# Altium PCB pcb_iot_nhom3.PcbDoc
Units mil, origin at the board's own origin, x right, y up, seen from the top; angles counter-clockwise.
Board outline 6000 x 4000 mil, 2 copper layers (Top Layer, Bottom Layer); 12 components, 31 nets, 84 pads, 0 vias.
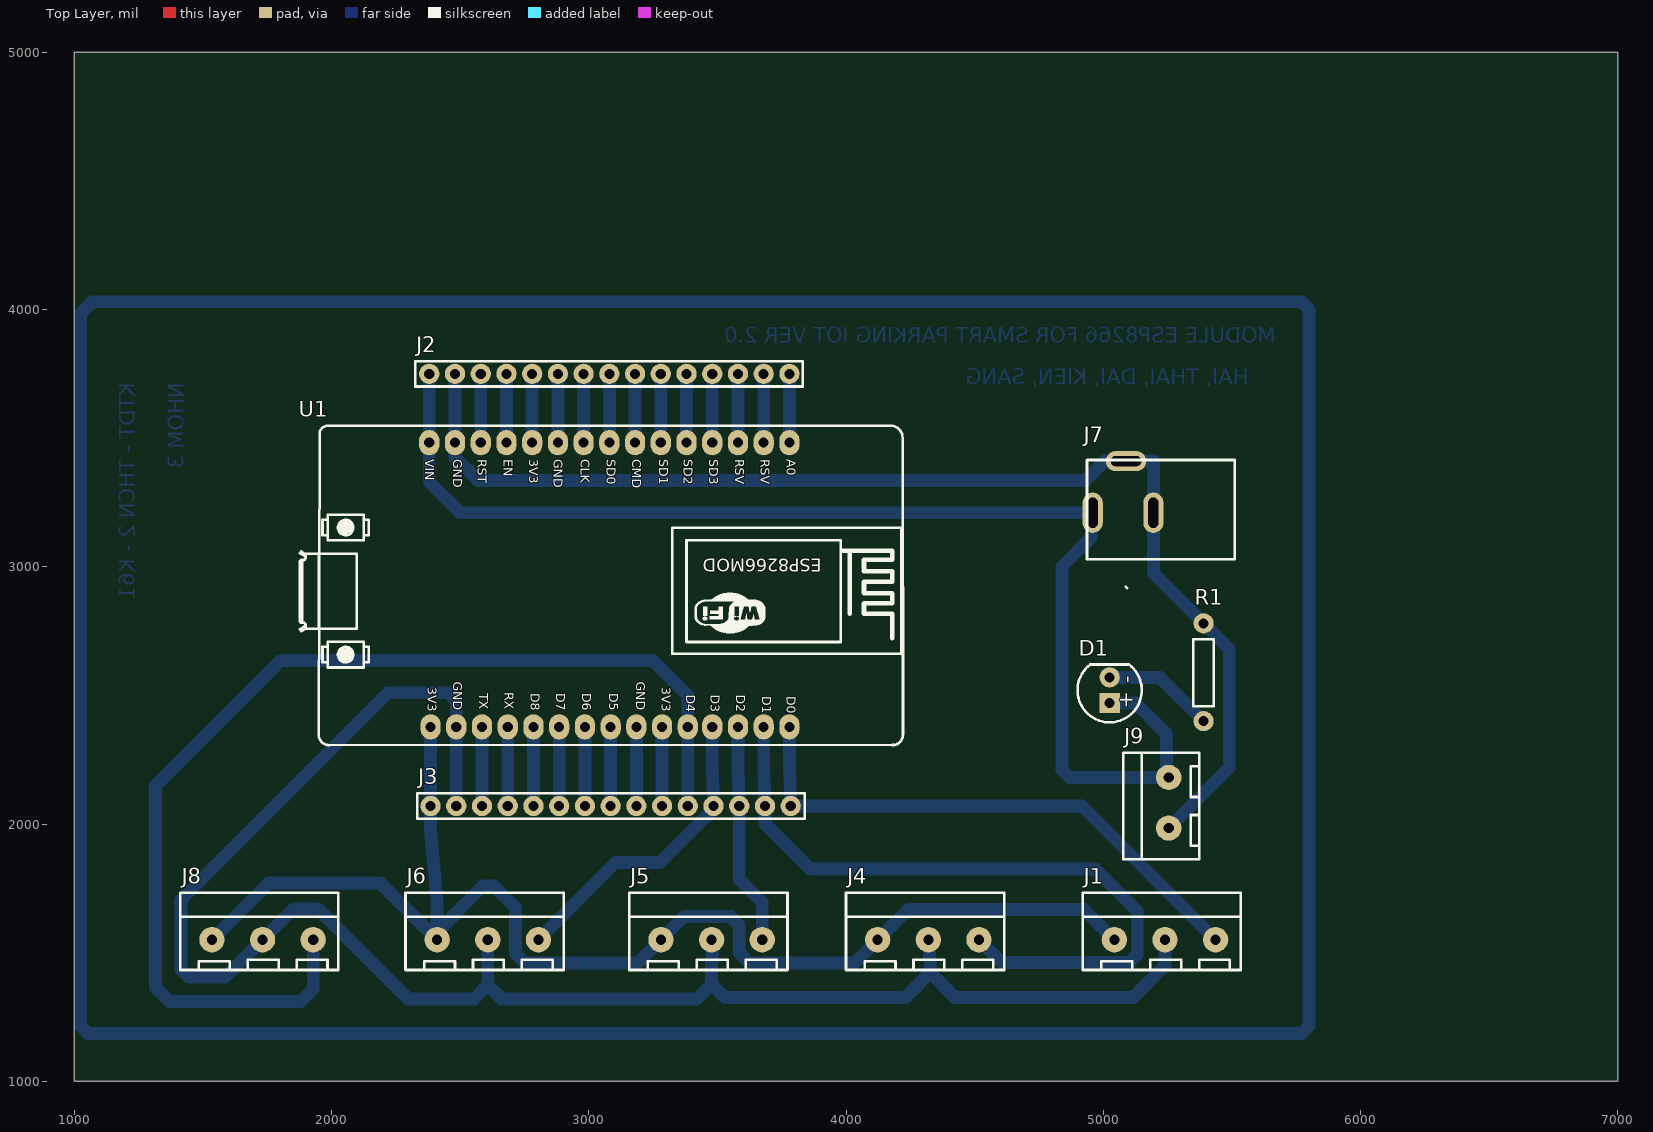
[diagram p0: Top Layer view]
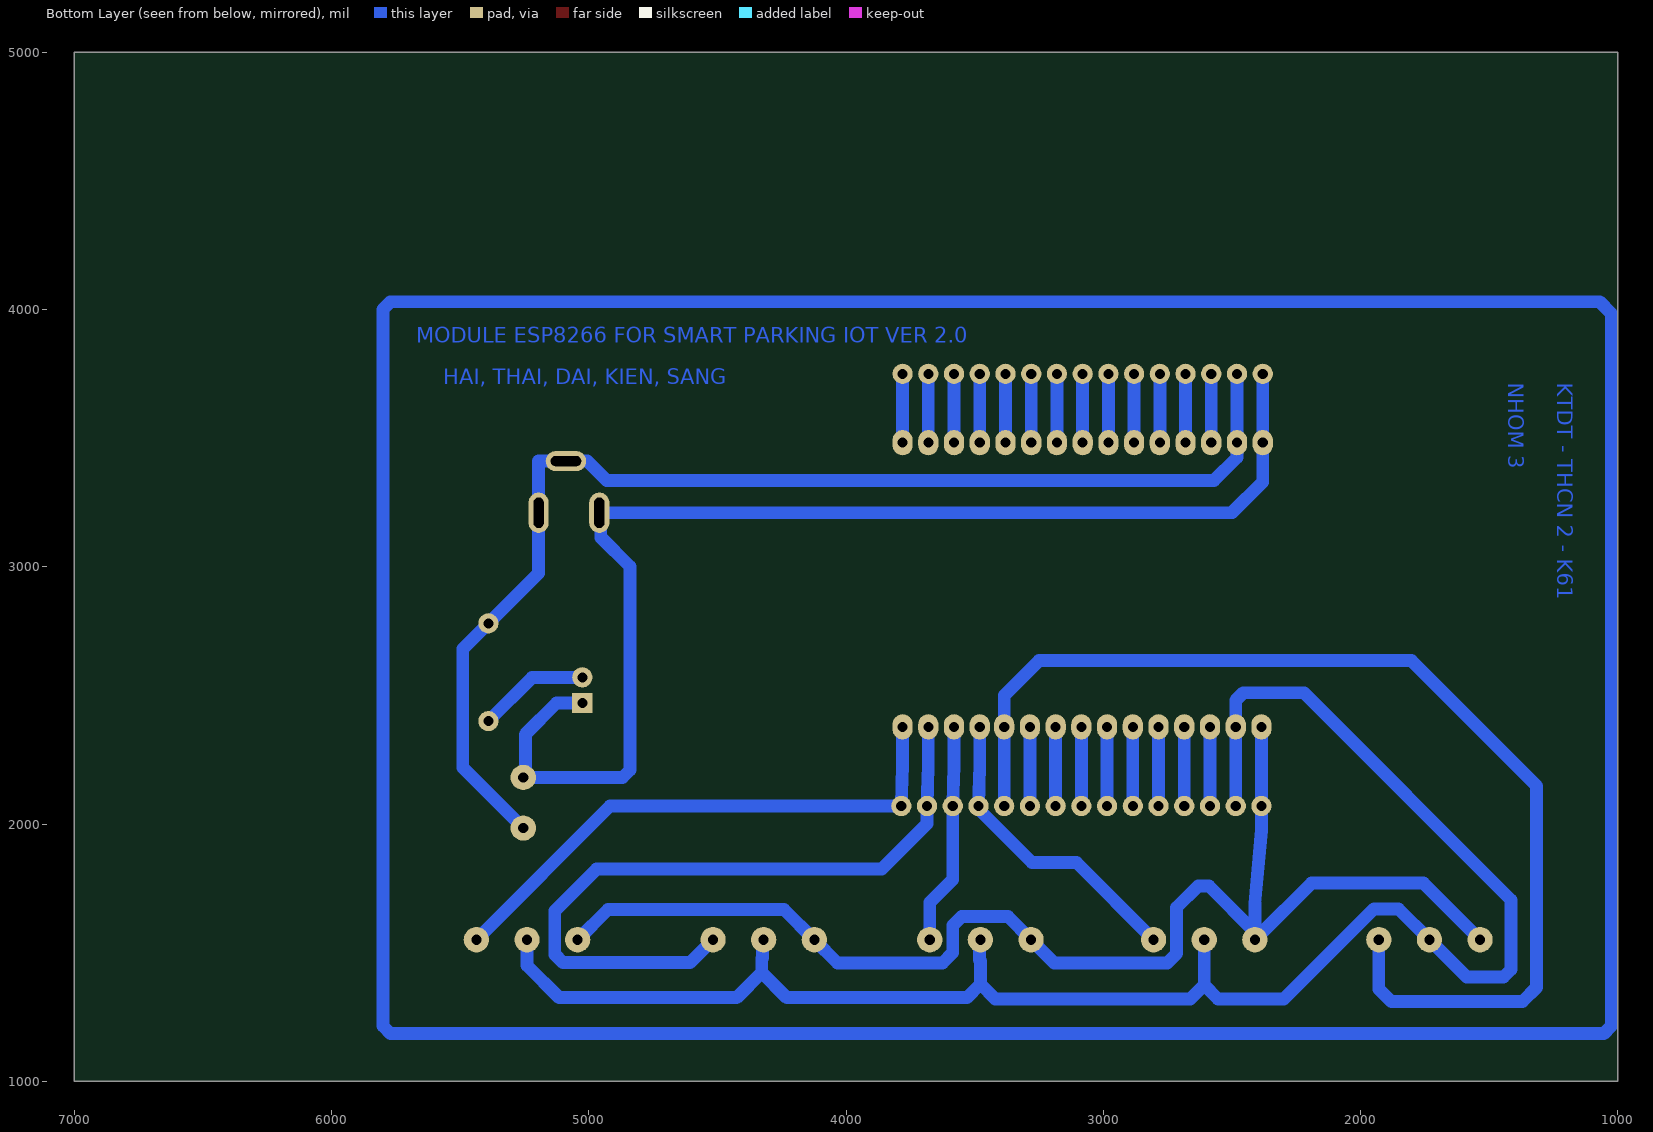
[diagram p1: Bottom Layer view, seen from below]
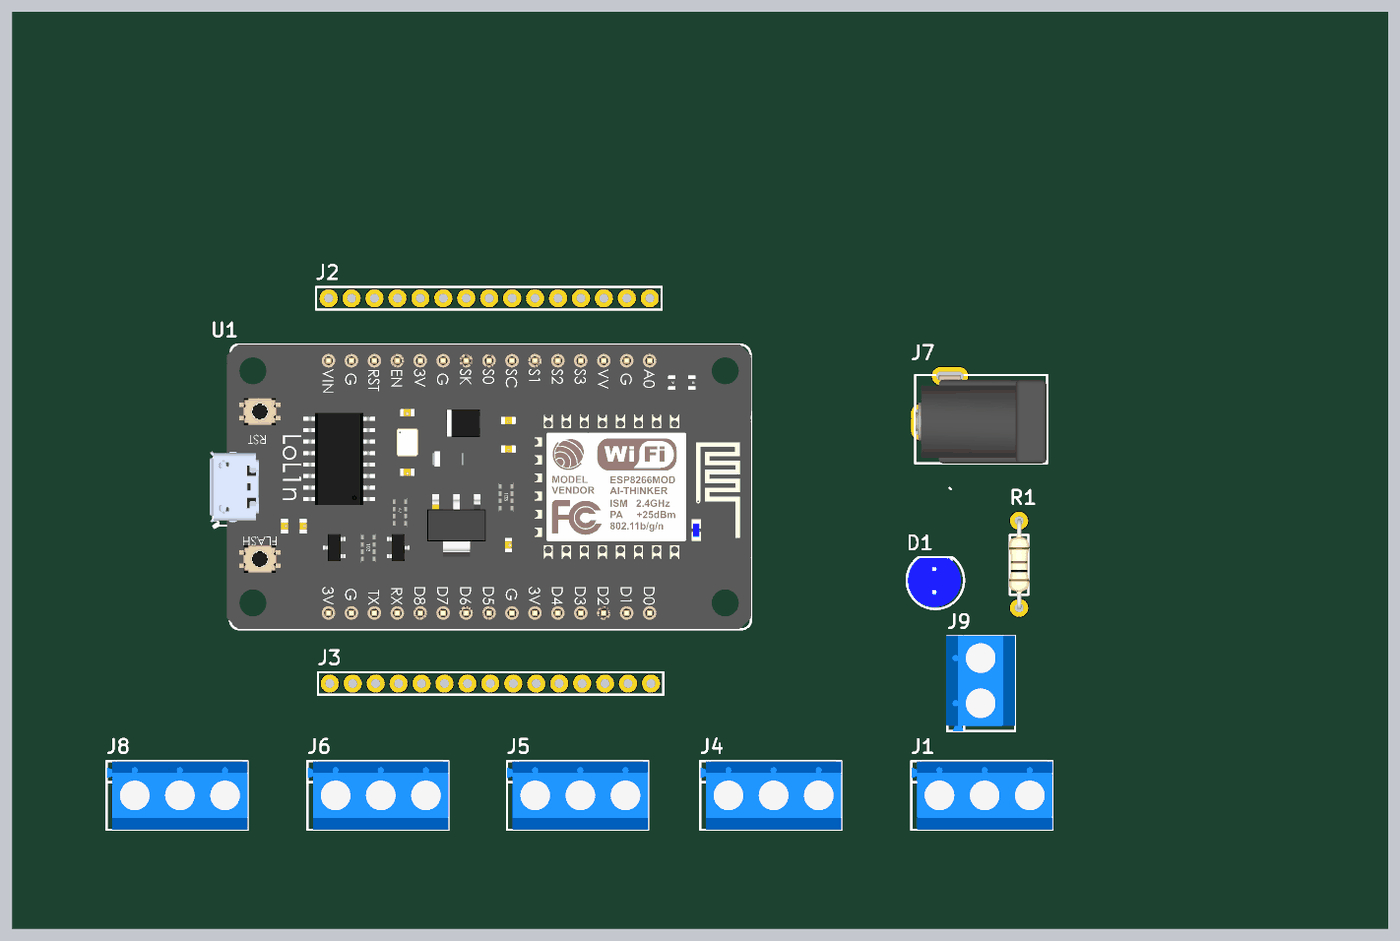
[diagram p2: 3D render of the assembled board from above, using the file's embedded part models]

## Layer stack, top to bottom
Top Solder: solder mask 0.4, Solder Resist, Dk 3.5
Top Layer: signal copper 1.4
Dielectric 1: dielectric 12.6, FR-4, Dk 4.8
Bottom Layer: signal copper 1.4
Bottom Solder: solder mask 0.4, Solder Resist, Dk 3.5

## Board outline
1000,1000 7000,1000 7000,5000 1000,5000

## Design rules (kind name [scope] priority, off if disabled: settings)
Clearance [All] p1: gap=15 ignorepadtopadclearanceinfootprint=FALSE
PolygonConnect [All] p1: connectstyle=Relief reliefconductorwidth=10 reliefentries=4 polygonreliefangle="90 Angle" airgapwidth=10
RoutingLayers [All] p1: top layer_v5=FALSE bottom layer_v5=TRUE
RoutingVias [All] p1: holewidth=28 width=50 viastyle="Through Hole" minholewidth=28 minwidth=50 maxholewidth=28 maxwidth=50
SolderMaskExpansion [All] p1: expansion=4 istentingtop=FALSE
Width [All] p1: maxlimit=60 minlimit=40 preferedwidth=50
29 further rules are at their usual default settings.

## Components (designator, comment, footprint, x,y, rotation, side; value= is the part's Value field where it differs from the comment)
D1 "Led" LED_5mm_BLUE 5025,2520 r90 top
J1 "BORNE-5.00-3P" BORNE-5.00-3P 5227.5,1582.22 r270 top
J2 "FEMALE-2.54-15P" FEMALE-2.54-15P 3080,3750 r90 top
J3 "FEMALE-2.54-15P" FEMALE-2.54-15P 3085,2070 r270 top
J4 "BORNE-5.00-3P" BORNE-5.00-3P 4307.5,1582.22 r270 top
J5 "BORNE-5.00-3P" BORNE-5.00-3P 3465,1582.22 r270 top
J6 "BORNE-5.00-3P" BORNE-5.00-3P 2595,1582.22 r270 top
J7 "JACK_P4" JACK_P4 5224.39,3222.5 r0 top
J8 "BORNE-5.00-3P" BORNE-5.00-3P 1719.35,1582.22 r270 top
J9 "BORNE-5.00-2P" BORNE-5.00-2P 5225,2070 r0 top
R1 "220" RESISTOR_PTH_9.5mm 5390,2590 r90 top
U1 "ESP8266" ESP8266 3080,2930 r270 top

## Footprints (in the part's own frame and the unit in brackets; to place one, negate y for a bottom-side part, rotate by r counter-clockwise, add the part's x,y. Pads: shape width x height; smd on the part's side, far side on the other; paste and mask are expansions set on the pad)
BORNE-5.00-2P [mm]
  round 2.5 hole 1: 1(0.754,2.821) 2(0.754,-2.18)
  silkscreen extent -3.75,-5.27 3.75,5.27, body extent -3.86,-5.28 3.74,5.32, height 10.1
BORNE-5.00-3P [mm]
  round 2.5 hole 1: 1(0.815,5.317) 2(0.815,0.318) 3(0.815,-4.682)
  silkscreen extent -3.8,-7.81 3.8,7.81, body extent -3.8,-7.79 3.8,7.81, height 10.1
ESP8266 [mm] "Microcontoller Board 30 Pins Wifi 2.4GHz BLE 4.2 ESP-12F"
  oval 2.5x2 hole 1: 1(-14.034,17.78) 2(-14.034,15.24) 3(-14.034,12.7) 4(-14.034,10.16) 5(-14.034,7.62) 6(-14.034,5.08) 7(-14.034,2.54) 8(-14.034,0) 9(-14.034,-2.54) 10(-14.034,-5.08) 11(-14.034,-7.62) 12(-14.033,-10.16) 13(-14.033,-12.7) 14(-14.033,-15.24) 15(-14.033,-17.78) 16(14.034,-17.653) 17(14.034,-15.113) 18(14.034,-12.573) 19(14.034,-10.033) 20(14.034,-7.493) 21(14.034,-4.953) 22(14.034,-2.413) 23(14.034,0.127) 24(14.034,2.667) 25(14.034,5.207) 26(14.034,7.747) 27(14.033,10.16) 28(14.033,12.7) 29(14.033,15.24) 30(14.033,17.78)
  silkscreen extent -15.7,-30.55 15.83,51.11, body extent -15.69,-30.95 15.81,29.03, height 7.12
FEMALE-2.54-15P [mm]
  round 2 hole 1: 1(0,17.78) 2(0,15.24) 3(0,12.7) 4(0,10.16) 5(0,7.62) 6(0,5.08) 7(0,2.54) 8(0,0) 9(0,-2.54) 10(0,-5.08) 11(0,-7.62) 12(0,-10.16) 13(0,-12.7) 14(0,-15.24) 15(0,-17.78)
  silkscreen extent -1.25,-19.09 1.25,19.17, body extent -1.11,-19.13 1.29,19.27, height 8.5
JACK_P4 [mm]
  oval 2x4 hole 1 slot 3 at 90 deg: 1(-6.746,-0.318) 2(-0.747,-0.318)
  oval 4x2 hole 1 slot 3 at 0 deg: 3(-3.446,4.783)
  silkscreen extent -7.3,-4.89 7.3,4.89, body extent -7.27,-4.92 7.23,4.88, height 11.38
LED_5mm_BLUE [mm]
  rect 2x2 hole 1: 1(-1.27,0)
  round 2 hole 1: 2(1.27,0)
  silkscreen extent -3.17,-3.17 2.54,3.17, body extent -2.97,-2.83 2.48,3.07, height 8.65
RESISTOR_PTH_9.5mm [mm]
  round 2 hole 1: 1(-4.826,0) 2(4.826,0)
  silkscreen extent -3.36,-1.02 3.24,1.02, body extent -5,-1.11 5,1.11, height 2.61

## Part data
D1: library part LED_5mm_BLUE, "LED PTH 5mm Blue."
J1 J4 J5 J6 J8: "Borne 3 Vias, Pitch 5mm.", JLCPCB PN=C91154
J2 J3: "Female Header Connector 2.54mm 15 Pins.", JLCPCB PN=C2897378
J7: "9V Battery Connector Jack P4."
J9: "Borne 2 Vias, Pitch 5mm.", JLCPCB PN=C91153
R1: library part RESISTOR_9.5mm, "Generic Resistor 9.5mm."
U1: "Microcontoller Board 30 Pins Wifi 2.4GHz BLE 4.2 ESP-12F", ComponentLink1Description=Datasheet, ComponentLink1URL=https://docs.ai-thinker.com/_media/esp8266/docs/esp-12f_product_specification_en.pdf

## Nets (pads, with @x,y where several pads share a name; then routed paths per layer and width w, separated by ;. In a path a pad name is that pad's centre, name@x,y a point inside that pad or via, vN(x,y) a via of type N, cw(c..) or ccw(c..) an arc to the next point about the centre after c; other vN are vias at no path point)
NetD1_1: D1.1 J2.1 J7.1 J9.1 U1.15 | length 4966.8
  Bottom Layer w50: J2.1 U1.15 2380,3330 2500,3210 J7.1 4953.33,3204.55 4953.33,3114.33 4840,3001 4840,2210.33 4869.29,2181.04 J9.1 5246.48,2189.23 5246.48,2348.52 5125,2470 D1.1
NetD1_2: D1.2 R1.1 | length 435.4
  Bottom Layer w50: D1.2 5220,2570 R1.1
NetJ1_1: J1.1 J3.1 U1.30 | length 2174.8
  Bottom Layer w50: U1.30 3780,2228 J3.1 4916.99,2070 J1.1
NetJ1_2: J1.2 J3.14 J4.2 J5.2 J6.2 J8.2 U1.17 | length 6994.3
  Bottom Layer w50: J3.14 2485,2480.71 2455.71,2510 2220,2510 1415,1705 1415,1434.29 1444.29,1405 1586.71,1405 J8.2 1851.71,1670 1948,1670 2298,1320 2553.44,1320 2607.5,1374.06 ; J6.2 2607.5,1374.06 ; J5.2 3480.99,1546.65 3480.99,1470.99 3477.5,1467.5 3477.5,1377.5 ; J4.2 4325.26,1544.88 4325.26,1479.74 4327.5,1477.5 4327.5,1422.5 ; J1.2 5240,1450 5115,1325 4425,1325 4327.5,1422.5 ; 2607.5,1374.06 2661.56,1320 3420,1320 3477.5,1377.5 ; 3477.5,1377.5 3530,1325 4230,1325 4327.5,1422.5
NetJ1_3: J1.3 J3.15 J4.3 J5.3 J6.3 J8.3 U1.16 | length 5145.6
  Bottom Layer w50: J8.3 1754.86,1770 2190.79,1770 J6.3@2395.39,1565.39 ; U1.16 J3.15 2385,1976.16 2410.65,1690.65 2410.65,1688.41 J6.3@2410.65,1580.65 ; J6.3 J6.3@2410.65,1580.65 ; J1.3 4925.32,1667.97 4240.98,1667.97 J4.3 4033.01,1460 3625,1460 3585,1500 3585,1605 3550,1640 3370.51,1640 J5.3 3190.51,1460 2751,1460 2715,1496 2715,1675 2630.71,1759.29 2589.29,1759.29 J6.3@2410.65,1580.65
NetJ2_2: J2.2 J7.2 J7.3 J9.2 R1.2 U1.14 | length 4754.9
  Bottom Layer w50: J2.2 U1.14 2480,3425 2570,3335 4930,3335 5005.79,3410.79 J7.3 5195,3410.79 J7.2 5195,2975 R1.2 5490,2680 5490,2219.53 J9.2
NetJ2_3: J2.3 U1.13 | length 267.5
  Bottom Layer w50: U1.13 J2.3
NetJ2_4: J2.4 U1.12 | length 267.5
  Bottom Layer w50: U1.12 J2.4
NetJ2_5: J2.5 U1.11 | length 267.5
  Bottom Layer w50: U1.11 J2.5
NetJ2_6: J2.6 U1.10 | length 267.5
  Bottom Layer w50: U1.10 J2.6
NetJ2_7: J2.7 U1.9 | length 267.5
  Bottom Layer w50: U1.9 J2.7
NetJ2_8: J2.8 U1.8 | length 267.5
  Bottom Layer w50: U1.8 J2.8
NetJ2_9: J2.9 U1.7 | length 267.5
  Bottom Layer w50: U1.7 J2.9
NetJ2_10: J2.10 U1.6 | length 267.5
  Bottom Layer w50: U1.6 J2.10
NetJ2_11: J2.11 U1.5 | length 267.5
  Bottom Layer w50: U1.5 J2.11
NetJ2_12: J2.12 U1.4 | length 267.5
  Bottom Layer w50: U1.4 J2.12
NetJ2_13: J2.13 U1.3 | length 267.5
  Bottom Layer w50: U1.3 J2.13
NetJ2_14: J2.14 U1.2 | length 267.5
  Bottom Layer w50: U1.2 J2.14
NetJ2_15: J2.15 U1.1 | length 267.5
  Bottom Layer w50: U1.1 J2.15
NetJ3_2: J3.2 J4.1 U1.29 | length 2798.9
  Bottom Layer w50: U1.29 3680,2228 J3.2 3685,2001 3861,1825 4969.36,1825 5132.36,1662 5132.36,1493.29 5100,1460.92 4606.06,1460.92 J4.1
NetJ3_3: J3.3 J5.1 U1.28 | length 864.5
  Bottom Layer w50: U1.28 3580,2228 J3.3 3585,1784.35 3674.35,1695 J5.1
NetJ3_4: J3.4 J6.1 U1.27 | length 1210.7
  Bottom Layer w50: J6.1 3104.21,1850 3277.25,1850 3479.5,2052.26 3479.5,2064.5 J3.4 3480,2228 U1.27
NetJ3_5: J3.5 J8.1 U1.26 | length 4388.7
  Bottom Layer w50: J8.1 1928.7,1358.7 1880,1310 1370,1310 1315,1365 1315,2148 1802,2635 3250,2635 3385,2500 U1.26 J3.5
NetJ3_6: J3.6 U1.25 | length 307.5
  Bottom Layer w50: J3.6 U1.25
NetJ3_7: J3.7 U1.24 | length 307.5
  Bottom Layer w50: J3.7 U1.24
NetJ3_8: J3.8 U1.23 | length 307.5
  Bottom Layer w50: J3.8 U1.23
NetJ3_9: J3.9 U1.22 | length 307.5
  Bottom Layer w50: J3.9 U1.22
NetJ3_10: J3.10 U1.21 | length 307.5
  Bottom Layer w50: J3.10 U1.21
NetJ3_11: J3.11 U1.20 | length 307.5
  Bottom Layer w50: J3.11 U1.20
NetJ3_12: J3.12 U1.19 | length 307.5
  Bottom Layer w50: J3.12 U1.19
NetJ3_13: J3.13 U1.18 | length 307.5
  Bottom Layer w50: J3.13 U1.18
copper on no net: | length 15162.2
  Bottom Layer w50: 1025,1214.29 1025,3985 1070,4030 5770.71,4030 5800,4000.71 5800,1214.29 5770.71,1185 1054.29,1185 1025,1214.29

## Other copper
Bottom Layer:
  text "MODULE ESP8266 FOR SMART PARKING IOT VER 2.0" at 5670,3870 h60
  text "KTDT - THCN 2 - K61" at 1235,3715 h60 r90
  text "NHOM 3" at 1425,3715 h60 r90
  text "HAI, THAI, DAI, KIEN, SANG" at 5565,3709.99 h60

## Text inside footprints (layer, text, board x,y; h text height)
D1: Top Overlay "+" at 5114.21,2448.08 h60 r90; Top Overlay "-" at 5119.21,2548.08 h60 r90
U1: Top Overlay "ESP8266MOD" at 3905,3032.11 h49.21 r180; Top Overlay "A0" at 3757.37,3417.5 h60 r270; Top Overlay "RSV" at 3657.37,3417.5 h60 r270; Top Overlay "SD3" at 3457.37,3417.5 h60 r270; Top Overlay "SD2" at 3357.37,3417.5 h60 r270; Top Overlay "SD1" at 3262.37,3417.5 h60 r270; Top Overlay "CMD" at 3157.37,3417.5 h60 r270; Top Overlay "SD0" at 3057.37,3417.5 h60 r270; Top Overlay "CLK" at 2957.37,3417.5 h60 r270; Top Overlay "GND" at 2852.37,3417.5 h60 r270; Top Overlay "3V3" at 2757.37,3417.5 h60 r270; Top Overlay "EN" at 2657.37,3417.5 h60 r270; Top Overlay "RST" at 2557.37,3417.5 h60 r270; Top Overlay "GND" at 2462.37,3417.5 h60 r270; Top Overlay "VIN" at 2352.37,3417.5 h60 r270; Top Overlay "3V3" at 2362.37,2532.5 h60 r270; Top Overlay "GND" at 2462.37,2552.5 h60 r270; Top Overlay "GND" at 3172.37,2552.5 h60 r270; Top Overlay "D0" at 3757.37,2497.5 h60 r270; Top Overlay "D1" at 3662.37,2497.5 h60 r270; Top Overlay "D3" at 3462.37,2502.5 h60 r270; Top Overlay "D4" at 3367.37,2502.5 h60 r270; Top Overlay "D5" at 3067.37,2507.5 h60 r270; Top Overlay "D2" at 3562.37,2502.5 h60 r270; Top Overlay "D6" at 2962.37,2507.5 h60 r270; Top Overlay "D7" at 2862.37,2507.5 h60 r270; Top Overlay "D8" at 2762.37,2507.5 h60 r270; Top Overlay "RX" at 2662.37,2512.5 h60 r270; Top Overlay "TX" at 2562.37,2507.5 h60 r270; Top Overlay "3V3" at 3272.37,2532.5 h60 r270; Top Overlay "RSV" at 3557.37,3417.5 h60 r270